# KiCad board Omega-D.kicad_pcb (continued)
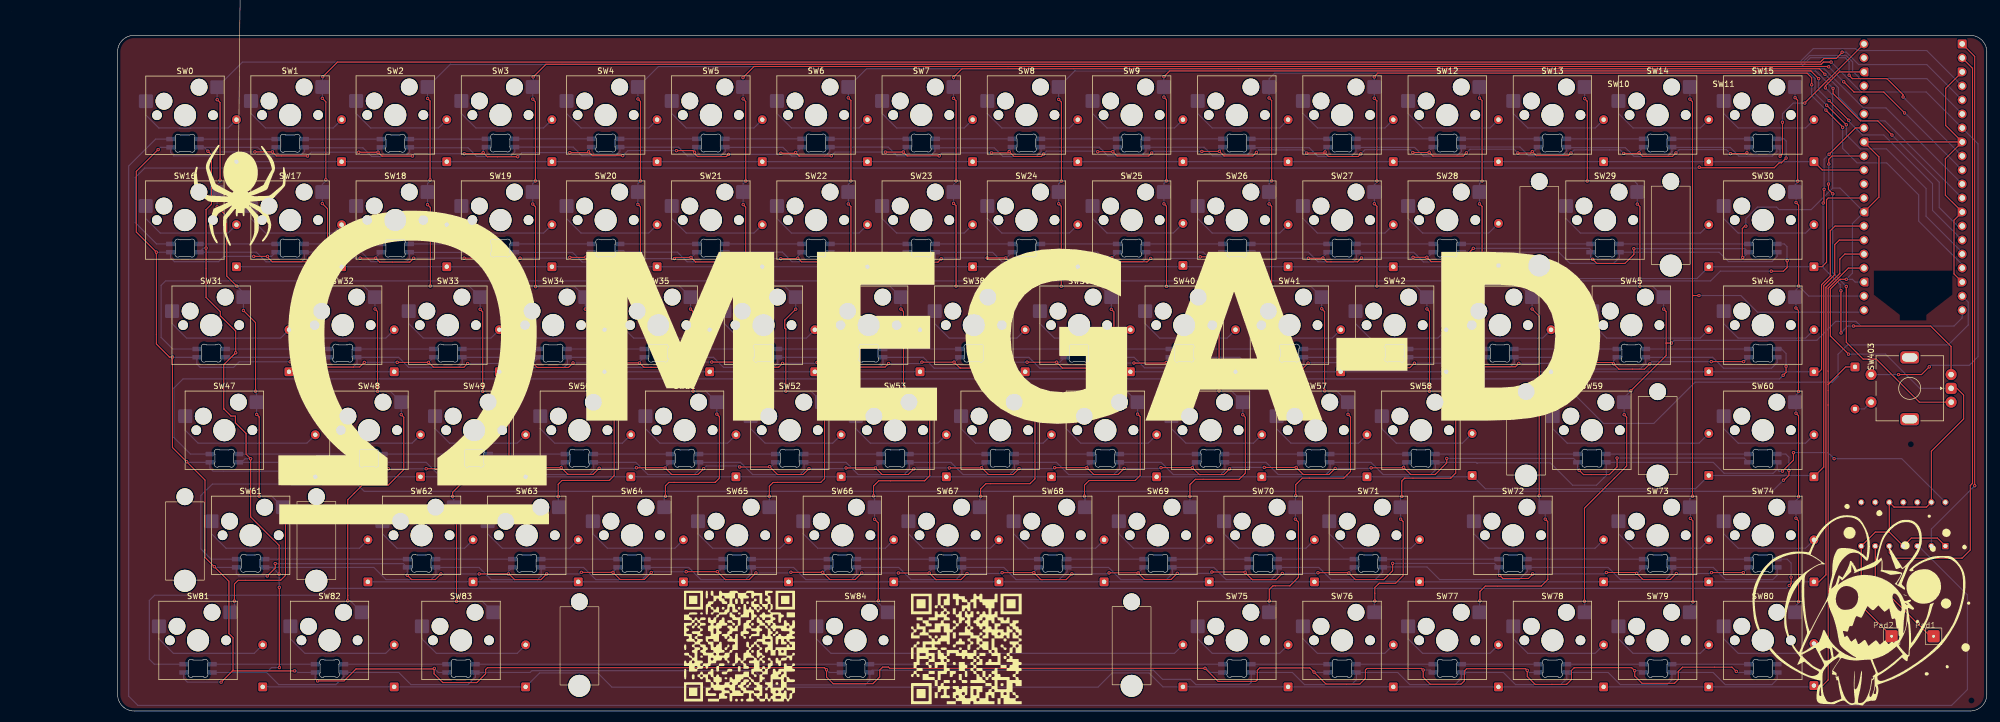
[diagram p0: board, top side]
## Nets
3V3: A2.36
3V3_EN: A2.37
GND: A2.3 A2.8 A2.13 A2.18 A2.23 A2.28 A2.33 A2.38 LED1.4 LED2.4 LED3.4 LED4.4 LED5.4 LED6.4 LED7.4 LED8.4 LED9.4 LED10.4 LED11.4 LED12.4 LED13.4 LED14.4 LED15.4 LED16.4 LED17.4 LED18.4 LED19.4 LED20.4 LED21.4 LED22.4 LED23.4 LED24.4 LED25.4 LED26.4 LED27.4 LED28.4 LED29.4 LED30.4 LED31.4 LED32.4 LED33.4 LED34.4 LED35.4 LED36.4 LED37.4 LED38.4 LED39.4 LED40.4 LED41.4 LED42.4 LED43.4 LED44.4 LED45.4 LED46.4 LED47.4 LED48.4 LED49.4 LED50.4 LED51.4 LED52.4 LED53.4 LED54.4 LED55.4 LED56.4 LED57.4 LED58.4 LED59.4 LED60.4 LED61.4 LED62.4 LED63.4 LED64.4 LED65.4 LED66.4 LED67.4 LED68.4 LED69.4 LED70.4 LED71.4 LED72.4 LED73.4 LED74.4 LED75.4 LED76.4 LED77.4 LED78.4 LED79.4 LED80.4 LED81.4 LED82.4 LED83.4 LED84.4 Pad2.1 SW403.C U1.1 U1.4 U1.7 U1.10 U1.13
VBUS: A2.40 LED1.1 LED2.1 LED3.1 LED4.1 LED5.1 LED6.1 LED7.1 LED8.1 LED9.1 LED10.1 LED11.1 LED12.1 LED13.1 LED14.1 LED15.1 LED16.1 LED17.1 LED18.1 LED19.1 LED20.1 LED21.1 LED22.1 LED23.1 LED24.1 LED25.1 LED26.1 LED27.1 LED28.1 LED29.1 LED30.1 LED31.1 LED32.1 LED33.1 LED34.1 LED35.1 LED36.1 LED37.1 LED38.1 LED39.1 LED40.1 LED41.1 LED42.1 LED43.1 LED44.1 LED45.1 LED46.1 LED47.1 LED48.1 LED49.1 LED50.1 LED51.1 LED52.1 LED53.1 LED54.1 LED55.1 LED56.1 LED57.1 LED58.1 LED59.1 LED60.1 LED61.1 LED62.1 LED63.1 LED64.1 LED65.1 LED66.1 LED67.1 LED68.1 LED69.1 LED70.1 LED71.1 LED72.1 LED73.1 LED74.1 LED75.1 LED76.1 LED77.1 LED78.1 LED79.1 LED80.1 LED81.1 LED82.1 LED83.1 LED84.1 U1.14
1Y: LED1.3 U1.3
2Y: Pad1.1 U1.6
ADC_VREF: A2.35
Column0: A2.4 SW0.2 SW16.2 SW31.2 SW47.2 SW61.2 SW81.2
Column1: A2.5 SW1.2 SW17.2 SW32.2 SW48.2 SW82.2
Column2: A2.6 SW2.2 SW18.2 SW33.2 SW49.2 SW62.2 SW83.2
Column3: A2.7 SW3.2 SW19.2 SW34.2 SW50.2 SW63.2 SW403.S1
Column4: A2.9 SW4.2 SW20.2 SW35.2 SW51.2 SW64.2
Column5: A2.10 SW5.2 SW21.2 SW36.2 SW52.2 SW65.2
Column6: A2.11 SW6.2 SW22.2 SW37.2 SW53.2 SW66.2 SW84.2
Column7: A2.12 SW7.2 SW23.2 SW38.2 SW54.2 SW67.2
Column8: A2.14 SW8.2 SW24.2 SW39.2 SW55.2 SW68.2
Column9: A2.15 SW9.2 SW25.2 SW40.2 SW56.2 SW69.2
Column10: A2.16 SW10.2 SW26.2 SW41.2 SW57.2 SW70.2 SW75.2
Column11: A2.17 SW11.2 SW27.2 SW42.2 SW58.2 SW71.2 SW76.2
Column12: A2.19 SW12.2 SW28.2 SW44.2 SW72.2 SW77.2
Column13: A2.20 SW13.2 SW29.2 SW45.2 SW59.2 SW78.2
Column14: A2.21 SW14.2 SW73.2 SW79.2
Column15: A2.22 SW15.2 SW30.2 SW46.2 SW60.2 SW74.2 SW80.2
Encoder_A: A2.32 SW403.A
Encoder_B: A2.34 SW403.B
GPIO0: A2.1 U1.2
GPIO01: A2.2 U1.5
Row0: A2.31 D1.1 D2.1 D3.1 D4.1 D5.1 D6.1 D7.1 D8.1 D9.1 D10.1 D11.1 D12.1 D13.1 D14.1 D15.1 D43.1
Row1: A2.29 D16.1 D17.1 D18.1 D19.1 D20.1 D21.1 D22.1 D23.1 D24.1 D25.1 D26.1 D27.1 D28.1 D29.1 D30.1
Row2: A2.27 D31.1 D32.1 D33.1 D34.1 D35.1 D36.1 D37.1 D38.1 D39.1 D40.1 D41.1 D42.1 D44.1 D45.1 D46.1
Row3: A2.26 D47.1 D48.1 D49.1 D50.1 D51.1 D52.1 D53.1 D54.1 D55.1 D56.1 D57.1 D58.1 D59.1 D60.1
Row4: A2.25 D61.1 D62.1 D63.1 D64.1 D65.1 D66.1 D67.1 D68.1 D69.1 D71.1 D72.1 D73.1 D74.1 D75.1
Row5: A2.24 D70.1 D76.1 D77.1 D78.1 D79.1 D80.1 D81.1 D82.1 D83.1 D84.1 D85.1
RUN: A2.30
VSYS: A2.39
Net-(D1-A): D1.2 SW0.1
Net-(D2-A): D2.2 SW1.1
Net-(D3-A): D3.2 SW2.1
Net-(D4-A): D4.2 SW3.1
Net-(D5-A): D5.2 SW4.1
Net-(D6-A): D6.2 SW5.1
Net-(D7-A): D7.2 SW6.1
Net-(D8-A): D8.2 SW7.1
Net-(D9-A): D9.2 SW8.1
Net-(D10-A): D10.2 SW9.1
Net-(D11-A): D11.2 SW10.1
Net-(D12-A): D12.2 SW11.1
Net-(D13-A): D13.2 SW12.1
Net-(D14-A): D14.2 SW13.1
Net-(D15-A): D15.2 SW14.1
Net-(D16-A): D16.2 SW16.1
Net-(D17-A): D17.2 SW17.1
Net-(D18-A): D18.2 SW18.1
Net-(D19-A): D19.2 SW19.1
Net-(D20-A): D20.2 SW20.1
Net-(D21-A): D21.2 SW21.1
Net-(D22-A): D22.2 SW22.1
Net-(D23-A): D23.2 SW23.1
Net-(D24-A): D24.2 SW24.1
Net-(D25-A): D25.2 SW25.1
Net-(D26-A): D26.2 SW26.1
Net-(D27-A): D27.2 SW27.1
Net-(D28-A): D28.2 SW28.1
Net-(D29-A): D29.2 SW29.1
Net-(D30-A): D30.2 SW30.1
Net-(D31-A): D31.2 SW31.1
Net-(D32-A): D32.2 SW32.1
Net-(D33-A): D33.2 SW33.1
Net-(D34-A): D34.2 SW34.1
Net-(D35-A): D35.2 SW35.1
Net-(D36-A): D36.2 SW36.1
Net-(D37-A): D37.2 SW37.1
Net-(D38-A): D38.2 SW38.1
Net-(D39-A): D39.2 SW39.1
Net-(D40-A): D40.2 SW40.1
Net-(D41-A): D41.2 SW41.1
Net-(D42-A): D42.2 SW42.1
Net-(D43-A): D43.2 SW15.1
Net-(D44-A): D44.2 SW44.1
Net-(D45-A): D45.2 SW45.1
Net-(D46-A): D46.2 SW46.1
Net-(D47-A): D47.2 SW47.1
Net-(D48-A): D48.2 SW48.1
Net-(D49-A): D49.2 SW49.1
Net-(D50-A): D50.2 SW50.1
Net-(D51-A): D51.2 SW51.1
Net-(D52-A): D52.2 SW52.1
Net-(D53-A): D53.2 SW53.1
Net-(D54-A): D54.2 SW54.1
Net-(D55-A): D55.2 SW55.1
Net-(D56-A): D56.2 SW56.1
Net-(D57-A): D57.2 SW57.1
Net-(D58-A): D58.2 SW58.1
Net-(D59-A): D59.2 SW59.1
Net-(D60-A): D60.2 SW60.1
Net-(D61-A): D61.2 SW61.1
Net-(D62-A): D62.2 SW62.1
Net-(D63-A): D63.2 SW63.1
Net-(D64-A): D64.2 SW64.1
Net-(D65-A): D65.2 SW65.1
Net-(D66-A): D66.2 SW66.1
Net-(D67-A): D67.2 SW67.1
Net-(D68-A): D68.2 SW68.1
Net-(D69-A): D69.2 SW69.1
Net-(D70-A): D70.2 SW403.S2
Net-(D71-A): D71.2 SW70.1
Net-(D72-A): D72.2 SW71.1
Net-(D73-A): D73.2 SW72.1
Net-(D74-A): D74.2 SW73.1
Net-(D75-A): D75.2 SW74.1
Net-(D76-A): D76.2 SW75.1
Net-(D77-A): D77.2 SW76.1
Net-(D78-A): D78.2 SW77.1
Net-(D79-A): D79.2 SW78.1
Net-(D80-A): D80.2 SW79.1
Net-(D81-A): D81.2 SW80.1
Net-(D82-A): D82.2 SW81.1
Net-(D83-A): D83.2 SW82.1
Net-(D84-A): D84.2 SW83.1
Net-(D85-A): D85.2 SW84.1
Net-(LED1-DOUT): LED1.2 LED2.3
Net-(LED2-DOUT): LED2.2 LED3.3
Net-(LED3-DOUT): LED3.2 LED4.3
Net-(LED4-DOUT): LED4.2 LED5.3
Net-(LED5-DOUT): LED5.2 LED6.3
Net-(LED6-DOUT): LED6.2 LED7.3
Net-(LED7-DOUT): LED7.2 LED8.3
Net-(LED8-DOUT): LED8.2 LED9.3
Net-(LED10-DIN): LED9.2 LED10.3
Net-(LED10-DOUT): LED10.2 LED11.3
Net-(LED11-DOUT): LED11.2 LED12.3
Net-(LED12-DOUT): LED12.2 LED13.3
Net-(LED13-DOUT): LED13.2 LED14.3
Net-(LED14-DOUT): LED14.2 LED15.3
Net-(LED15-DOUT): LED15.2 LED16.3
Net-(LED16-DOUT): LED16.2 LED17.3
Net-(LED17-DOUT): LED17.2 LED18.3
Net-(LED18-DOUT): LED18.2 LED19.3
Net-(LED19-DOUT): LED19.2 LED20.3
Net-(LED20-DOUT): LED20.2 LED21.3
Net-(LED21-DOUT): LED21.2 LED22.3
Net-(LED22-DOUT): LED22.2 LED23.3
Net-(LED23-DOUT): LED23.2 LED24.3
Net-(LED24-DOUT): LED24.2 LED25.3
Net-(LED25-DOUT): LED25.2 LED26.3
Net-(LED26-DOUT): LED26.2 LED27.3
Net-(LED27-DOUT): LED27.2 LED28.3
Net-(LED28-DOUT): LED28.2 LED29.3
Net-(LED29-DOUT): LED29.2 LED30.3
Net-(LED30-DOUT): LED30.2 LED31.3
Net-(LED31-DOUT): LED31.2 LED32.3
Net-(LED32-DOUT): LED32.2 LED33.3
Net-(LED33-DOUT): LED33.2 LED34.3
Net-(LED34-DOUT): LED34.2 LED35.3
Net-(LED35-DOUT): LED35.2 LED36.3
Net-(LED36-DOUT): LED36.2 LED37.3
Net-(LED37-DOUT): LED37.2 LED38.3
Net-(LED38-DOUT): LED38.2 LED39.3
Net-(LED39-DOUT): LED39.2 LED40.3
Net-(LED40-DOUT): LED40.2 LED41.3
Net-(LED41-DOUT): LED41.2 LED42.3
Net-(LED42-DOUT): LED42.2 LED43.3
Net-(LED43-DOUT): LED43.2 LED44.3
Net-(LED44-DOUT): LED44.2 LED45.3
Net-(LED45-DOUT): LED45.2 LED46.3
Net-(LED46-DOUT): LED46.2 LED47.3
Net-(LED47-DOUT): LED47.2 LED48.3
Net-(LED48-DOUT): LED48.2 LED49.3
Net-(LED49-DOUT): LED49.2 LED50.3
Net-(LED50-DOUT): LED50.2 LED51.3
Net-(LED51-DOUT): LED51.2 LED52.3
Net-(LED52-DOUT): LED52.2 LED53.3
Net-(LED53-DOUT): LED53.2 LED54.3
Net-(LED54-DOUT): LED54.2 LED55.3
Net-(LED55-DOUT): LED55.2 LED56.3
Net-(LED56-DOUT): LED56.2 LED57.3
Net-(LED57-DOUT): LED57.2 LED58.3
Net-(LED58-DOUT): LED58.2 LED59.3
Net-(LED59-DOUT): LED59.2 LED60.3
Net-(LED60-DOUT): LED60.2 LED61.3
Net-(LED61-DOUT): LED61.2 LED62.3
Net-(LED62-DOUT): LED62.2 LED63.3
Net-(LED63-DOUT): LED63.2 LED64.3
Net-(LED64-DOUT): LED64.2 LED65.3
Net-(LED65-DOUT): LED65.2 LED66.3
Net-(LED66-DOUT): LED66.2 LED67.3
Net-(LED67-DOUT): LED67.2 LED68.3
Net-(LED68-DOUT): LED68.2 LED69.3
Net-(LED69-DOUT): LED69.2 LED70.3
Net-(LED70-DOUT): LED70.2 LED71.3
Net-(LED71-DOUT): LED71.2 LED72.3
Net-(LED72-DOUT): LED72.2 LED73.3
Net-(LED73-DOUT): LED73.2 LED74.3
Net-(LED74-DOUT): LED74.2 LED75.3
Net-(LED75-DOUT): LED75.2 LED76.3
Net-(LED76-DOUT): LED76.2 LED77.3
Net-(LED77-DOUT): LED77.2 LED78.3
Net-(LED78-DOUT): LED78.2 LED79.3
Net-(LED79-DOUT): LED79.2 LED80.3
Net-(LED80-DOUT): LED80.2 LED81.3
Net-(LED81-DOUT): LED81.2 LED82.3
Net-(LED82-DOUT): LED82.2 LED83.3
Net-(LED83-DOUT): LED83.2 LED84.3
Net-(LED84-DOUT): LED84.2

Pads without a net: SW403 MP; U1 8 9 11 12

## Via types
v1: diameter 0.6, hole 0.3, Top to Bottom, 416 vias

## Routing (per net, layer and track width the routed paths; a pad name or vN(x,y) marks a point on that pad's centre or on a via; arc(x,y) is an arc through that point)
GND: length 2287.6
  Top w0.2: v1(215.65,101.46) 218.8,101.46 v1(218.82,101.48) 219.66,100.64 224.88,100.64 v1(225.53,101.29) ; v1(92.18,82.11) 91.48,81.41 85.57,81.41 v1(84.87,82.11) v1(82.06,82.11) ; v1(50.55,63.31) 55.61,63.31 v1(55.62,63.3) 56.55,62.37 63.14,62.37 v1(63.97,63.2) ; v1(197,63.08) 196.09,62.17 190.41,62.17 v1(189.34,63.24) v1(183.99,63.24) ; v1(120.49,101.6) 123.49,101.6 v1(123.78,101.31) 123.78,101.07 124.33,100.52 129.52,100.52 v1(129.93,100.93) ; v1(234.95,82.09) 237.52,82.09 v1(237.57,82.14) 238.28,81.43 243.84,81.43 v1(244.54,82.13) ; v1(286.41,81.9) 287.16,81.15 292.25,81.15 293.88,82.78 v1(293.88,83.82) ; v1(71.75,24.62) 72.55,23.82 76.82,23.82 v1(77.85,24.85) ; v1(168.44,81.98) 167.84,81.38 161.99,81.38 v1(161.32,82.05) 161.31,82.06 v1(158.53,82.06) ; v1(126.89,63.27) v1(132.61,63.27) 133.55,62.33 139.01,62.33 v1(139.71,63.03) ; v1(145.96,63.2) 151.56,63.2 v1(151.57,63.21) 152.41,62.37 152.41,62.36 158.28,62.36 v1(158.92,63) ; v1(332.35,78.27) 331.23,78.27 329.46,76.5 329.46,67.98 v1(332.75,64.7) ; v1(275.56,24.86) 275.56,24.81 274.77,24.02 270.15,24.02 v1(269.59,24.58) ; v1(312.43,7.17) 311.65,7.95 302.7,7.95 301.92,7.17 301.92,5.7 301.24,5.02 295.37,5.02 294.03,6.36 v1(294.03,7.3) 293.49,7.84 283.06,7.84 282.57,7.35 282.57,5.7 281.7,4.83 279.04,4.83 279.03,4.82 276.01,4.82 274.57,6.26 v1(274.57,7.36) 274.27,7.66 263.58,7.66 263.18,7.26 263.18,5.47 262.57,4.86 256.99,4.86 255.73,6.12 v1(255.73,7.43) 255.44,7.72 245.55,7.72 245.26,7.43 245.26,5.89 244.25,4.88 238.13,4.88 v1(235.96,7.05) 235.2,7.81 226.12,7.81 225.68,7.37 225.68,5.66 225.39,5.37 218.59,5.37 v1(216.22,7.74) 159.1,7.74 158.88,7.96 157.86,7.96 157.32,7.42 157.32,6.18 156.09,4.95 148.88,4.95 147.68,6.15 v1(147.68,7.47) 147.3,7.85 86.28,7.85 85.95,7.52 85.95,6.75 84.34,5.14 78.2,5.14 76.6,6.73 76.6,7.67 v1(76.65,7.72) 76.56,7.63 62.48,7.63 60.3,5.45 v1(55.52,5.45) ; v1(201.58,43.97) 200.49,42.88 196.07,42.88 v1(194.82,44.13) 194.8,44.11 v1(188.99,44.11) ; A2.28 338.26,93.18 338.26,100.46 A2.33 A2.8 ; v1(72.71,100.63) 72.69,100.61 67.16,100.61 v1(66.46,101.31) v1(62.96,101.31) ; v1(279.47,63.18) 289.97,63.18 v1(290.2,62.95) 291.17,61.98 295.81,61.98 v1(296.76,62.93) ; v1(206.56,101.17) 206.02,100.63 200.31,100.63 199.54,101.4 v1(199.53,101.4) v1(196.79,101.4) ; v1(241.43,63.18) 241.44,63.19 v1(247.25,63.19) 248.2,62.24 253.32,62.24 v1(254.14,63.06) ; v1(47.84,26.72) 47.84,25.92 v1(46.4,24.48) ; v1(239.79,43.98) 238.69,42.88 234.01,42.88 v1(232.73,44.16) v1(226.94,44.16) ; v1(230.21,24.94) 229.07,23.8 224.79,23.8 223.48,25.11 v1(223.48,25.14) 223.42,25.2 v1(217.47,25.2) ; v1(177.91,63.04) 177.05,62.18 171.84,62.18 v1(170.77,63.25) v1(164.95,63.25) ; v1(313.76,63.35) 313.75,63.34 v1(307.89,63.34) ; v1(75.17,43.93) 80.35,43.93 v1(80.37,43.95) 81.43,42.89 86.34,42.89 v1(87.4,43.95) ; v1(206.38,82.06) 205.76,81.44 200.08,81.44 v1(199.33,82.19) 199.2,82.06 v1(196.41,82.06) ; v1(43.95,82.43) v1(46.45,82.43) 46.45,82.29 47.3,81.44 53.38,81.44 v1(54.06,82.12) ; v1(168.09,100.66) 168.08,100.65 162.28,100.65 v1(161.58,101.35) 161.57,101.34 v1(158.35,101.34) ; v1(250.19,26.76) 250.19,25.42 248.59,23.82 243.45,23.82 243.45,23.83 v1(242.26,25.02) 242.21,25.07 v1(236.67,25.07) ; v1(225.34,82.08) 224.71,81.45 219.12,81.45 218.22,82.35 v1(218.21,82.35) 215.36,82.35 v1(215.35,82.34) ; v1(160.69,25.02) v1(166.27,25.02) 167.48,23.81 172,23.81 v1(173.12,24.93) ; v1(292.05,101.1) 294.71,101.1 v1(294.82,101.21) 295.46,100.57 300.88,100.57 v1(301.5,101.19) ; v1(82.07,101.04) 85.31,101.04 v1(85.5,101.23) 86.24,100.49 v1(91.76,100.49) ; v1(244.44,101.02) 243.95,100.53 238.58,100.53 237.97,101.14 v1(237.97,101.37) 237.76,101.16 v1(234.62,101.16) ; v1(208.25,44.12) v1(213.93,44.12) 215.19,42.86 219.62,42.86 v1(220.67,43.91) ; v1(103.27,25.14) v1(109.01,25.14) 110.31,23.84 114.67,23.84 v1(115.94,25.11) ; v1(134.89,25.03) 133.68,23.82 129.35,23.82 v1(127.91,25.26) 127.9,25.25 v1(122.25,25.25) ; v1(314.16,87.91) 313.95,87.91 313.51,87.47 313.51,82.29 v1(313.59,82.21) ; v1(272.87,101.17) 275.23,101.17 v1(275.49,101.43) 276.22,100.7 276.22,100.69 282.02,100.69 v1(282.49,101.16) ; 340.13,32.44 U1.4 344.12,31.35 348.84,31.35 U1.1 ; 340.13,32.44 337.59,32.44 U1.7 335.05,19.05 Pad2.1 ; 340.13,32.44 U1.10 341,36.97 346.88,36.97 U1.13 347.75,47.1 353.6,52.95 353.6,57.27 352.37,58.5 SW403.C ; v1(130.41,82.01) 129.81,81.41 123.94,81.41 123.94,81.43 v1(123.13,82.24) 120.34,82.24 v1(120.13,82.03) ; v1(260,45.79) 260,44.98 257.9,42.88 253.47,42.88 v1(252.18,44.17) 252.1,44.09 v1(246.3,44.09) ; v1(187,100.99) 186.55,100.54 181.63,100.54 v1(180.75,101.42) 180.52,101.19 v1(177.55,101.19) ; A2.8 350.28,100.12 350.28,93.52 A2.13 351.85,88.99 351.85,79.25 A2.18 ; A2.8 350.35,106.15 350.35,112.89 A2.3 ; v1(82.69,63.01) 82,62.32 76.5,62.32 v1(75.61,63.21) v1(69.93,63.21) ; v1(301.56,24.93) 300.45,23.82 295.54,23.82 v1(294.39,24.97) 294.25,25.11 v1(288.9,25.11) ; v1(141.23,25.15) v1(146.98,25.15) 148.31,23.82 152.86,23.82 v1(154.06,25.02) ; v1(101.19,101.24) 104.45,101.24 v1(104.59,101.38) 105.28,100.69 v1(110.78,100.69) ; v1(144.5,43.95) 143.42,42.87 138.8,42.87 v1(137.37,44.3) 137.31,44.24 v1(131.95,44.24) ; v1(113.25,44.1) 118.41,44.1 v1(118.45,44.06) 119.63,42.88 124.37,42.88 v1(125.43,43.94) ; 40.09,7.27 v1(51.35,7.27) ; 40.09,7.27 40.2,7.38 40.2,13.29 39.45,14.03 39.45,23.53 v1(36.81,26.17) 35.12,27.86 35.12,41.88 v1(31.81,45.19) 29.23,47.77 v1(29.23,64.18) 28.67,64.18 26.32,66.53 v1(26.32,83.19) 22.68,86.83 22.68,97.83 v1(26.64,101.79) ; 40.09,7.27 v1(38.05,5.23) ; v1(234.89,63.07) 233.93,62.11 229.38,62.11 v1(228.29,63.2) 228.28,63.21 v1(222.4,63.21) ; v1(139.39,82) 142.37,82 v1(142.47,82.1) 142.49,82.1 143.16,81.43 148.78,81.43 148.79,81.42 149.4,82.03 v1(149.4,82.04) ; v1(264.8,83.88) 262.39,81.47 257.17,81.47 257.17,81.48 v1(256.39,82.26) v1(253.89,82.26) ; v1(192.12,24.87) 191.06,23.81 186.5,23.81 v1(185.22,25.09) 185.21,25.08 v1(179.47,25.08) ; v1(273.05,63.03) 272.43,62.41 266.73,62.41 266.73,62.42 v1(266.11,63.04) 265.87,63.28 v1(260.4,63.28) ; v1(108,63.11) v1(113.82,63.11) 114.63,62.3 120.16,62.3 v1(120.78,62.92) ; v1(63.22,82.11) v1(66.04,82.11) 66.76,81.39 72.22,81.39 v1(72.92,82.09) ; v1(68.32,43.91) 67.29,42.88 62.67,42.88 v1(61.34,44.21) v1(55.49,44.21) ; v1(97,24.85) 95.96,23.81 91.21,23.81 90.17,24.85 v1(90.08,24.85) v1(84.79,24.85) ; v1(290.84,45.86) 290.84,44.27 289.43,42.86 284.76,42.86 v1(283.97,43.65) ; v1(253.85,101.27) 256.77,101.27 v1(256.8,101.3) 257.48,100.62 262.97,100.62 v1(263.55,101.2) ; v1(148.55,100.67) 148.51,100.63 142.71,100.63 v1(142.07,101.27) 141.93,101.13 v1(139.41,101.13) ; v1(307.93,25.09) v1(313.7,25.09) ; v1(151.21,44.07) v1(156.55,44.07) 157.75,42.87 162.46,42.87 v1(163.49,43.9) ; v1(215.86,63.07) 215.01,62.22 210.15,62.22 v1(209.2,63.17) 209.12,63.09 v1(203.34,63.09) ; v1(182.53,43.95) 181.45,42.87 177.01,42.87 v1(175.76,44.12) 175.7,44.06 v1(169.93,44.06) ; v1(211.19,24.96) 210.08,23.85 205.27,23.85 v1(204.1,25.02) 204.08,25.04 v1(198.84,25.04) ; v1(101.78,63.11) 100.95,62.28 95.3,62.28 v1(94.35,63.23) v1(88.96,63.23) ; v1(53.7,100.63) 53.69,100.64 48.07,100.64 v1(47.34,101.37) v1(44.16,101.37) ; v1(311.37,101.06) 314.19,101.06 v1(314.35,101.21) ; A2.38 331.08,115.87 328.57,113.36 v1(328.57,112.98) ; v1(187.32,82.06) 186.69,81.43 180.86,81.43 v1(180.14,82.15) 180.13,82.14 v1(176.78,82.14) ; v1(106.51,44.01) 105.4,42.9 100.84,42.9 v1(99.63,44.11) 99.62,44.1 v1(93.88,44.1) ; v1(111.29,82.02) 110.67,81.4 104.97,81.4 v1(104.08,82.29) 104.04,82.25 v1(101.19,82.25)
  Bottom w0.2: LED15.4 294.82,101.47 v1(294.82,101.21) ; v1(244.54,82.13) 253.76,82.13 v1(253.89,82.26) ; LED74.4 313.7,25.1 v1(313.7,25.09) ; v1(273.05,63.03) 279.32,63.03 v1(279.47,63.18) ; v1(26.32,83.19) 26.33,83.18 LED17.4 28.88,82.17 29.59,81.46 37.58,81.46 38.55,82.43 v1(43.95,82.43) ; v1(328.57,112.98) 329.88,111.67 329.88,94.81 ; v1(123.13,82.24) 123.19,82.24 LED22.4 ; v1(158.35,101.34) 149.22,101.34 v1(148.55,100.67) ; v1(220.67,43.91) 220.92,44.16 v1(226.94,44.16) ; v1(144.5,43.95) 151.09,43.95 v1(151.21,44.07) ; v1(101.19,101.24) 92.51,101.24 v1(91.76,100.49) ; v1(63.22,82.11) 63.21,82.12 v1(54.06,82.12) ; LED78.4 148.17,6.98 v1(147.68,7.47) ; v1(332.75,64.7) 339.45,64.7 345.65,58.5 SW403.C ; v1(301.5,101.19) 302.09,101.78 310.64,101.78 v1(311.37,101.06) ; v1(127.91,25.26) 128.12,25.26 LED65.4 ; v1(36.81,26.17) 36.95,26.03 LED61.4 40.79,24.94 41.26,24.47 46.39,24.47 v1(46.4,24.48) ; v1(228.29,63.2) 228.29,63.51 LED42.4 ; v1(75.61,63.21) 75.61,63.23 LED34.4 ; v1(237.97,101.37) 237.97,101.77 LED12.4 ; v1(199.53,101.4) 199.53,101.43 LED10.4 ; v1(55.49,44.21) 55.48,44.22 53.21,44.22 52.47,43.48 36.59,43.48 36.02,44.05 36.02,45.07 LED47.4 31.92,45.08 v1(31.81,45.19) ; v1(255.73,7.43) 257.03,7.43 LED81.4 ; v1(103.27,25.14) 102.98,24.85 v1(97,24.85) ; v1(286.41,81.9) 286.05,82.26 LED30.4 286.05,83.67 285.85,83.88 v1(264.8,83.88) ; v1(208.25,44.12) 208.1,43.97 v1(201.58,43.97) ; LED28.4 237.57,82.32 v1(237.57,82.14) ; v1(274.57,7.36) 274.95,6.98 LED82.4 ; v1(62.96,101.31) 54.38,101.31 v1(53.7,100.63) ; v1(209.2,63.17) 209.2,63.47 LED41.4 ; v1(180.14,82.15) 180.25,82.15 LED25.4 ; LED16.4 314.35,101.95 v1(314.35,101.21) ; v1(120.78,62.92) 121.13,63.27 v1(126.89,63.27) ; v1(132.61,63.27) 132.79,63.27 LED37.4 ; v1(38.05,5.23) 31.93,5.23 31.26,5.9 LED75.4 ; v1(213.93,44.12) 213.93,44.39 LED56.4 ; v1(198.84,25.04) 198.67,24.87 v1(192.12,24.87) ; v1(242.26,25.02) 242.26,25.1 LED71.4 ; LED67.4 166.27,25.31 v1(166.27,25.02) ; LED36.4 113.82,63.34 v1(113.82,63.11) ; v1(312.43,7.17) 312.62,6.98 LED84.4 ; v1(234.95,82.09) 234.94,82.08 v1(225.34,82.08) ; LED73.4 294.52,24.97 v1(294.39,24.97) ; v1(76.65,7.72) 77.39,6.98 LED77.4 ; v1(63.97,63.2) 63.98,63.21 v1(69.93,63.21) ; v1(168.44,81.98) 168.6,82.14 v1(176.78,82.14) ; v1(106.51,44.01) 113.16,44.01 v1(113.25,44.1) ; v1(134.89,25.03) 141.11,25.03 v1(141.23,25.15) ; v1(154.06,25.02) v1(160.69,25.02) ; LED66.4 147.06,25.15 v1(146.98,25.15) ; v1(88.96,63.23) 88.74,63.01 v1(82.69,63.01) ; v1(50.55,63.31) 41.31,63.31 40.3,62.3 34.24,62.3 33.64,62.89 LED32.4 29.28,64.13 v1(29.23,64.18) ; v1(51.35,7.27) 51.63,7.27 51.92,6.98 LED76.4 55.07,5.89 v1(55.52,5.45) ; v1(151.57,63.21) 151.78,63.21 LED38.4 ; LED13.4 256.8,101.55 v1(256.8,101.3) ; v1(55.62,63.3) 56.61,63.3 56.63,63.32 56.64,63.32 LED33.4 ; v1(109.01,25.14) 109.01,25.2 LED64.4 ; v1(301.56,24.93) 307.77,24.93 v1(307.93,25.09) ; v1(75.17,43.93) 75.15,43.91 v1(68.32,43.91) ; LED50.4 99.63,44.39 v1(99.63,44.11) ; v1(216.22,7.74) 216.47,7.74 217.23,6.98 LED79.4 ; v1(71.75,24.62) 71.74,24.62 LED62.4 71.05,26.72 v1(47.84,26.72) ; v1(142.07,101.27) 142.22,101.27 LED7.4 ; LED24.4 161.32,82.27 v1(161.32,82.05) ; v1(282.49,101.16) 283.06,101.73 291.42,101.73 v1(292.05,101.1) ; v1(61.34,44.21) 61.35,44.21 62.22,45.08 ; v1(234.89,63.07) 234.98,63.16 241.41,63.16 v1(241.43,63.18) ; v1(92.18,82.11) 101.05,82.11 v1(101.19,82.25) ; v1(194.82,44.13) 194.82,44.33 LED55.4 ; v1(293.88,83.82) 313.99,83.82 LED31.4 313.66,82.21 v1(313.59,82.21) ; v1(206.38,82.06) 215.07,82.06 v1(215.35,82.34) ; 329.88,94.81 331.21,94.81 A2.28 333.46,88.38 333.46,79.38 v1(332.35,78.27) 333.46,78.27 333.96,77.77 A2.23 ; 329.88,94.81 325.97,90.9 320.18,90.9 319.72,91.36 316.26,91.36 314.16,89.26 v1(314.16,87.91) ; v1(217.47,25.2) 217.23,24.96 v1(211.19,24.96) ; LED40.4 189.91,63.24 v1(189.34,63.24) ; v1(131.95,44.24) 131.76,44.43 125.92,44.43 v1(125.43,43.94) ; v1(275.56,24.86) 288.65,24.86 v1(288.9,25.11) ; v1(290.2,62.95) 290.2,63.51 LED45.4 ; v1(177.91,63.04) 178.11,63.24 v1(183.99,63.24) ; v1(158.92,63) 164.7,63 v1(164.95,63.25) ; v1(175.76,44.12) 175.76,44.32 LED54.4 ; v1(122.25,25.25) 116.08,25.25 v1(115.94,25.11) ; LED83.4 295.26,7.3 v1(294.03,7.3) ; v1(180.75,101.42) 180.75,101.7 LED9.4 ; v1(188.99,44.11) 188.83,43.95 v1(182.53,43.95) ; v1(236.67,25.07) 236.54,24.94 v1(230.21,24.94) ; v1(93.88,44.1) 93.73,43.95 v1(87.4,43.95) ; v1(222.4,63.21) 216,63.21 v1(215.86,63.07) ; LED2.4 47.34,101.58 v1(47.34,101.37) ; v1(232.73,44.16) 232.75,44.16 233.67,45.08 ; v1(120.49,101.6) 120.48,101.61 111.7,101.61 v1(110.78,100.69) ; v1(206.56,101.17) 206.86,101.47 215.64,101.47 v1(215.65,101.46) ; v1(275.49,101.43) 275.73,101.43 LED14.4 ; v1(104.59,101.38) 104.59,101.74 LED5.4 ; v1(263.55,101.2) 264.21,101.86 272.18,101.86 v1(272.87,101.17) ; v1(137.37,44.3) 137.64,44.3 LED52.4 ; v1(199.33,82.19) 199.8,82.66 199.81,82.66 LED26.4 ; v1(158.53,82.06) 158.51,82.04 v1(149.4,82.04) ; v1(46.45,82.43) 47.18,82.43 LED18.4 ; v1(80.37,43.95) 80.37,44.18 LED49.4 ; v1(72.71,100.63) 73.12,101.04 v1(82.07,101.04) ; v1(118.45,44.06) 118.45,44.16 LED51.4 ; LED58.4 252.18,44.54 v1(252.18,44.17) ; v1(313.76,63.35) 313.85,63.35 LED46.4 ; v1(223.48,25.14) 223.48,25.37 LED70.4 ; LED3.4 66.46,101.65 v1(66.46,101.31) ; v1(82.06,82.11) 72.94,82.11 v1(72.92,82.09) ; v1(111.29,82.02) 120.12,82.02 v1(120.13,82.03) ; v1(196.79,101.4) 196.68,101.51 187.52,101.51 v1(187,100.99) ; v1(169.93,44.06) 163.65,44.06 v1(163.49,43.9) ; v1(244.44,101.02) 245.2,101.78 253.34,101.78 v1(253.85,101.27) ; v1(26.64,101.79) 27.04,102.19 LED1.4 28.9,101.26 29.47,100.7 29.47,100.65 35.84,100.65 36.56,101.37 v1(44.16,101.37) ; v1(123.78,101.31) 123.78,101.88 LED6.4 ; LED68.4 185.22,25.21 v1(185.22,25.09) ; LED19.4 66.04,82.24 v1(66.04,82.11) ; LED43.4 247.25,63.42 v1(247.25,63.19) ; v1(161.58,101.35) 161.58,101.58 LED8.4 ; v1(203.34,63.09) 203.33,63.08 v1(197,63.08) ; v1(85.5,101.23) 85.5,101.7 LED4.4 ; LED21.4 104.19,82.29 v1(104.08,82.29) ; v1(130.41,82.01) 139.38,82.01 v1(139.39,82) ; v1(225.53,101.29) 225.97,101.73 234.05,101.73 v1(234.62,101.16) ; v1(173.12,24.93) 179.32,24.93 v1(179.47,25.08) ; v1(218.21,82.35) 218.55,82.35 LED27.4 ; v1(283.97,43.65) 283.67,43.94 LED59.4 282.96,45.79 v1(260,45.79) ; v1(250.19,26.76) 268.66,26.76 LED72.4 269.39,24.78 v1(269.59,24.58) ; v1(90.08,24.85) 90.08,25.32 LED63.4 ; v1(145.96,63.2) 145.79,63.03 v1(139.71,63.03) ; v1(235.96,7.05) 236.03,6.98 LED80.4 ; v1(177.55,101.19) 168.62,101.19 v1(168.09,100.66) ; v1(77.85,24.85) v1(84.79,24.85) ; LED23.4 142.47,82.47 v1(142.47,82.1) ; LED69.4 204.1,25.04 v1(204.1,25.02) ; v1(101.78,63.11) v1(108,63.11) ; LED60.4 313.85,45.86 v1(290.84,45.86) ; v1(307.89,63.34) 297.17,63.34 v1(296.76,62.93) ; LED35.4 94.65,63.23 v1(94.35,63.23) ; v1(84.87,82.11) 84.96,82.11 LED20.4 ; v1(260.4,63.28) 260.18,63.06 v1(254.14,63.06) ; v1(187.32,82.06) v1(196.41,82.06) ; LED11.4 218.82,101.67 v1(218.82,101.48) ; v1(256.39,82.26) 256.56,82.26 LED29.4 ; LED44.4 266.11,63.23 v1(266.11,63.04) ; v1(139.41,101.13) 139.21,100.93 v1(129.93,100.93) ; v1(239.79,43.98) 246.19,43.98 v1(246.3,44.09) ; v1(156.55,44.07) 156.55,44.16 LED53.4 ; v1(170.77,63.25) 170.87,63.25 LED39.4
VBUS: length 2050.9
  Top w0.2: v1(48.58,22.42) 48.58,7.89 v1(48.59,7.88) ; v1(320.79,43.49) 322.78,45.48 v1(322.78,46.85) ; v1(320.36,100.58) 320.79,101.01 v1(320.79,106.75) ; A2.40 v1(324.82,110.22) ; v1(48.55,24.81) 48.55,30.04 43.39,35.2 v1(43.39,45.73) 42.57,46.55 42.57,50.31 40.63,52.25 40.63,53.47 39.85,53.47 38.55,54.77 38.52,54.77 38.52,62.78 v1(40.68,64.94) 40.68,68.87 37.9,71.65 37.9,72.41 35.32,74.99 v1(35.32,83.93) 35.32,90.9 36.29,91.87 36.29,100.86 v1(35.65,101.5)
  Bottom w0.2: 91.26,83.15 91.26,81.94 90.73,81.41 84.31,81.41 82.57,83.15 72.21,83.15 ; v1(320.36,100.58) 320.36,101.7 LED16.1 ; 167.32,102.24 167.32,101.5 166.49,100.67 160.43,100.67 158.86,102.24 148.27,102.24 ; 110.27,102.24 110.27,101.5 109.44,100.67 103.38,100.67 101.8,102.24 91.22,102.24 ; LED74.1 319.83,24.62 319.02,23.81 310.47,23.81 308.26,26.03 LED73.1 300.78,24.97 299.62,23.81 291.44,23.81 289.23,26.03 LED72.1 274.59,25.31 273.09,23.81 258.71,23.81 256.42,26.11 248.47,26.11 LED71.1 248.39,25.16 247.04,23.81 239.04,23.81 236.83,26.03 LED70.1 229.34,24.98 228.17,23.81 220.04,23.81 217.83,26.03 LED69.1 210.29,24.86 209.24,23.81 200.97,23.81 198.76,26.03 LED68.1 191.24,25.23 189.82,23.81 182,23.81 179.79,26.03 LED67.1 172.19,24.89 171.11,23.81 162.97,23.81 160.76,26.03 LED66.1 153.14,24.76 152.19,23.81 143.93,23.81 141.72,26.03 LED65.1 134.09,24.87 133.03,23.81 124.93,23.81 122.72,26.03 LED64.1 115.04,24.6 114.25,23.81 105.9,23.81 103.69,26.03 LED63.1 95.99,24.43 95.37,23.81 86.95,23.81 84.74,26.03 LED62.1 76.94,24.68 76.07,23.81 67.9,23.81 65.69,26.03 LED61.1 47.33,26.03 v1(48.55,24.81) 48.55,22.45 v1(48.58,22.42) ; 243.62,83.19 243.62,81.98 243.09,81.45 236.67,81.45 234.93,83.19 224.57,83.19 ; LED84.1 319.83,5.72 318.88,4.77 310.44,4.77 308.23,6.98 LED83.1 300.78,5.66 299.89,4.77 291.43,4.77 289.22,6.98 LED82.1 281.73,5.88 280.62,4.77 272.46,4.77 270.25,6.98 LED81.1 262.68,5.97 261.48,4.77 253.32,4.77 251.11,6.98 LED80.1 243.63,5.66 242.74,4.77 234.25,4.77 232.04,6.98 LED79.1 224.58,5.21 224.14,4.77 214.57,4.77 213.6,5.74 208.52,5.74 206.87,7.39 155.93,7.39 LED78.1 155.52,5.6 154.64,4.72 137.27,4.72 134.69,7.3 94.32,7.3 94,6.98 LED77.1 84.09,6.14 82.72,4.77 72.43,4.77 70.22,6.98 LED76.1 60.27,6.22 58.82,4.77 48.49,4.77 46.28,6.98 ; v1(320.79,43.49) 320.16,43.49 319.83,43.82 ; 319.77,101.46 319.77,102.28 ; 129.36,102.22 129.36,101.48 128.53,100.65 122.47,100.65 120.9,102.22 110.31,102.22 ; 262.66,102.26 273.25,102.26 274.82,100.69 280.88,100.69 281.71,101.52 281.71,102.26 ; 72.19,102.12 72.19,101.38 71.36,100.55 65.3,100.55 63.72,102.12 53.14,102.12 ; 319.83,43.82 319.11,43.1 310.23,43.1 308.25,45.08 LED59.1 288.87,42.69 288.46,42.28 288.45,42.28 287.11,40.94 282.79,40.94 278.73,45 265.62,45 265.49,44.87 265.28,45.08 LED58.1 257.92,43.69 257.09,42.86 248.49,42.86 246.27,45.08 LED57.1 238.87,43.62 238.13,42.88 229.47,42.88 227.27,45.08 LED56.1 219.82,43.6 219.08,42.86 210.49,42.86 208.27,45.08 LED55.1 200.77,43.96 199.67,42.86 191.54,42.86 189.32,45.08 LED54.1 181.72,43.7 180.88,42.86 172.42,42.86 170.2,45.08 162.67,45.08 162.67,43.84 161.69,42.86 153.42,42.86 151.2,45.08 LED52.1 143.62,43.58 142.9,42.86 134.32,42.86 132.1,45.08 LED51.1 124.57,43.69 123.74,42.86 115.35,42.86 113.13,45.08 LED50.1 105.52,43.6 104.78,42.86 96.34,42.86 94.11,45.09 94.1,45.08 LED49.1 86.47,43.58 85.75,42.86 77.39,42.86 75.17,45.08 LED48.1 67.42,43.73 66.55,42.86 58.06,42.86 55.83,45.09 55.82,45.08 LED47.1 41.74,45.08 42.39,45.73 v1(43.39,45.73) ; 319.83,43.82 LED60.1 ; 91.23,102.12 91.23,101.38 90.4,100.55 84.34,100.55 82.76,102.12 72.18,102.12 ; LED29.1 280.29,83.18 282.31,81.16 290.23,81.16 291.25,82.18 LED30.1 309.32,83.18 311.02,81.48 318.88,81.48 319.83,82.43 LED31.1 ; 91.33,83.15 101.69,83.15 103.43,81.41 109.85,81.41 110.38,81.94 110.38,83.15 ; 205.46,83.19 205.46,81.98 204.93,81.45 198.51,81.45 196.77,83.19 186.41,83.19 ; 224.51,102.13 235.1,102.13 236.67,100.56 242.73,100.56 243.56,101.39 243.56,102.13 ; 110.32,83.19 120.68,83.19 122.42,81.45 128.84,81.45 129.37,81.98 129.37,83.19 ; 167.4,83.14 167.4,81.93 166.87,81.4 160.45,81.4 158.71,83.14 148.35,83.14 ; v1(40.68,64.94) 39.87,64.13 LED32.1 51.19,64.13 53,62.32 61.94,62.32 62.65,63.03 LED33.1 70.19,64.13 72,62.32 81.09,62.32 81.7,62.93 LED34.1 89.12,64.13 90.97,62.28 100.13,62.28 100.77,62.92 100.75,62.93 LED35.1 108.14,64.13 109.97,62.3 119.34,62.3 119.79,62.75 119.79,62.84 119.8,62.85 LED36.1 127.21,64.13 129.03,62.31 138.05,62.31 138.1,62.36 138.1,62.37 138.85,63.12 LED37.1 146.14,64.13 147.9,62.37 157.34,62.37 157.9,62.93 LED38.1 165.2,64.13 167.17,62.16 176.25,62.16 176.95,62.86 LED39.1 184.32,64.13 186.29,62.16 195.31,62.16 196,62.85 LED40.1 203.37,64.13 205.28,62.22 214.61,62.22 215.05,62.66 LED41.1 222.52,64.13 224.54,62.11 233.47,62.11 234.1,62.74 LED42.1 241.46,64.13 243.34,62.25 252.49,62.25 253.15,62.91 LED43.1 260.54,64.13 262.27,62.4 271.48,62.4 272.2,63.12 LED44.1 279.59,64.13 281.72,62 294.96,62 294.97,61.99 296.02,63.04 296.02,64.13 308.15,64.13 310.13,62.15 318.8,62.15 319.83,63.18 LED46.1 ; v1(35.32,83.93) 34.83,83.93 LED17.1 44.44,83.18 46.18,81.44 52.6,81.44 53.13,81.97 LED18.1 ; 224.59,83.2 224.59,81.99 224.06,81.46 217.64,81.46 215.9,83.2 205.54,83.2 ; LED2.1 53.15,101.45 52.32,100.62 46.26,100.62 44.69,102.19 LED1.1 34.96,102.19 v1(35.65,101.5) ; 281.75,102.13 292.34,102.13 293.91,100.56 299.97,100.56 300.8,101.39 300.78,101.41 LED15.1 ; 300.74,102.18 311.32,102.18 312.89,100.61 318.95,100.61 319.79,101.44 ; 148.37,83.2 148.37,81.99 147.84,81.46 141.42,81.46 139.68,83.2 129.32,83.2 ; v1(48.59,7.88) 47.18,7.88 46.28,6.98 ; 72.14,83.21 72.14,82 71.61,81.47 65.19,81.47 63.45,83.21 53.09,83.21 ; 224.52,102.21 224.52,101.47 223.69,100.64 217.63,100.64 216.06,102.21 205.47,102.21 ; 186.45,83.16 186.45,81.95 185.92,81.42 179.5,81.42 177.76,83.16 167.4,83.16 ; v1(324.82,110.22) 322.73,110.22 320.79,108.27 v1(320.79,106.75) ; 46.28,6.98 LED75.1 ; U1.14 342.38,45.75 v1(330.14,45.75) 329.04,46.85 v1(322.78,46.85) ; 243.66,83.16 254.02,83.16 255.76,81.42 262.18,81.42 262.71,81.95 262.71,83.16 ; 167.47,102.11 178.06,102.11 179.63,100.54 185.69,100.54 186.52,101.37 186.52,102.11 ; 129.21,102.19 139.8,102.19 141.37,100.62 147.43,100.62 148.26,101.45 148.26,102.19 ; 186.48,102.22 197.07,102.22 198.64,100.65 204.7,100.65 205.53,101.48 205.53,102.22 ; 243.6,102.18 254.19,102.18 255.76,100.61 261.82,100.61 262.65,101.44 262.65,102.18
